# Allegro board neko-m5.brd (continued)
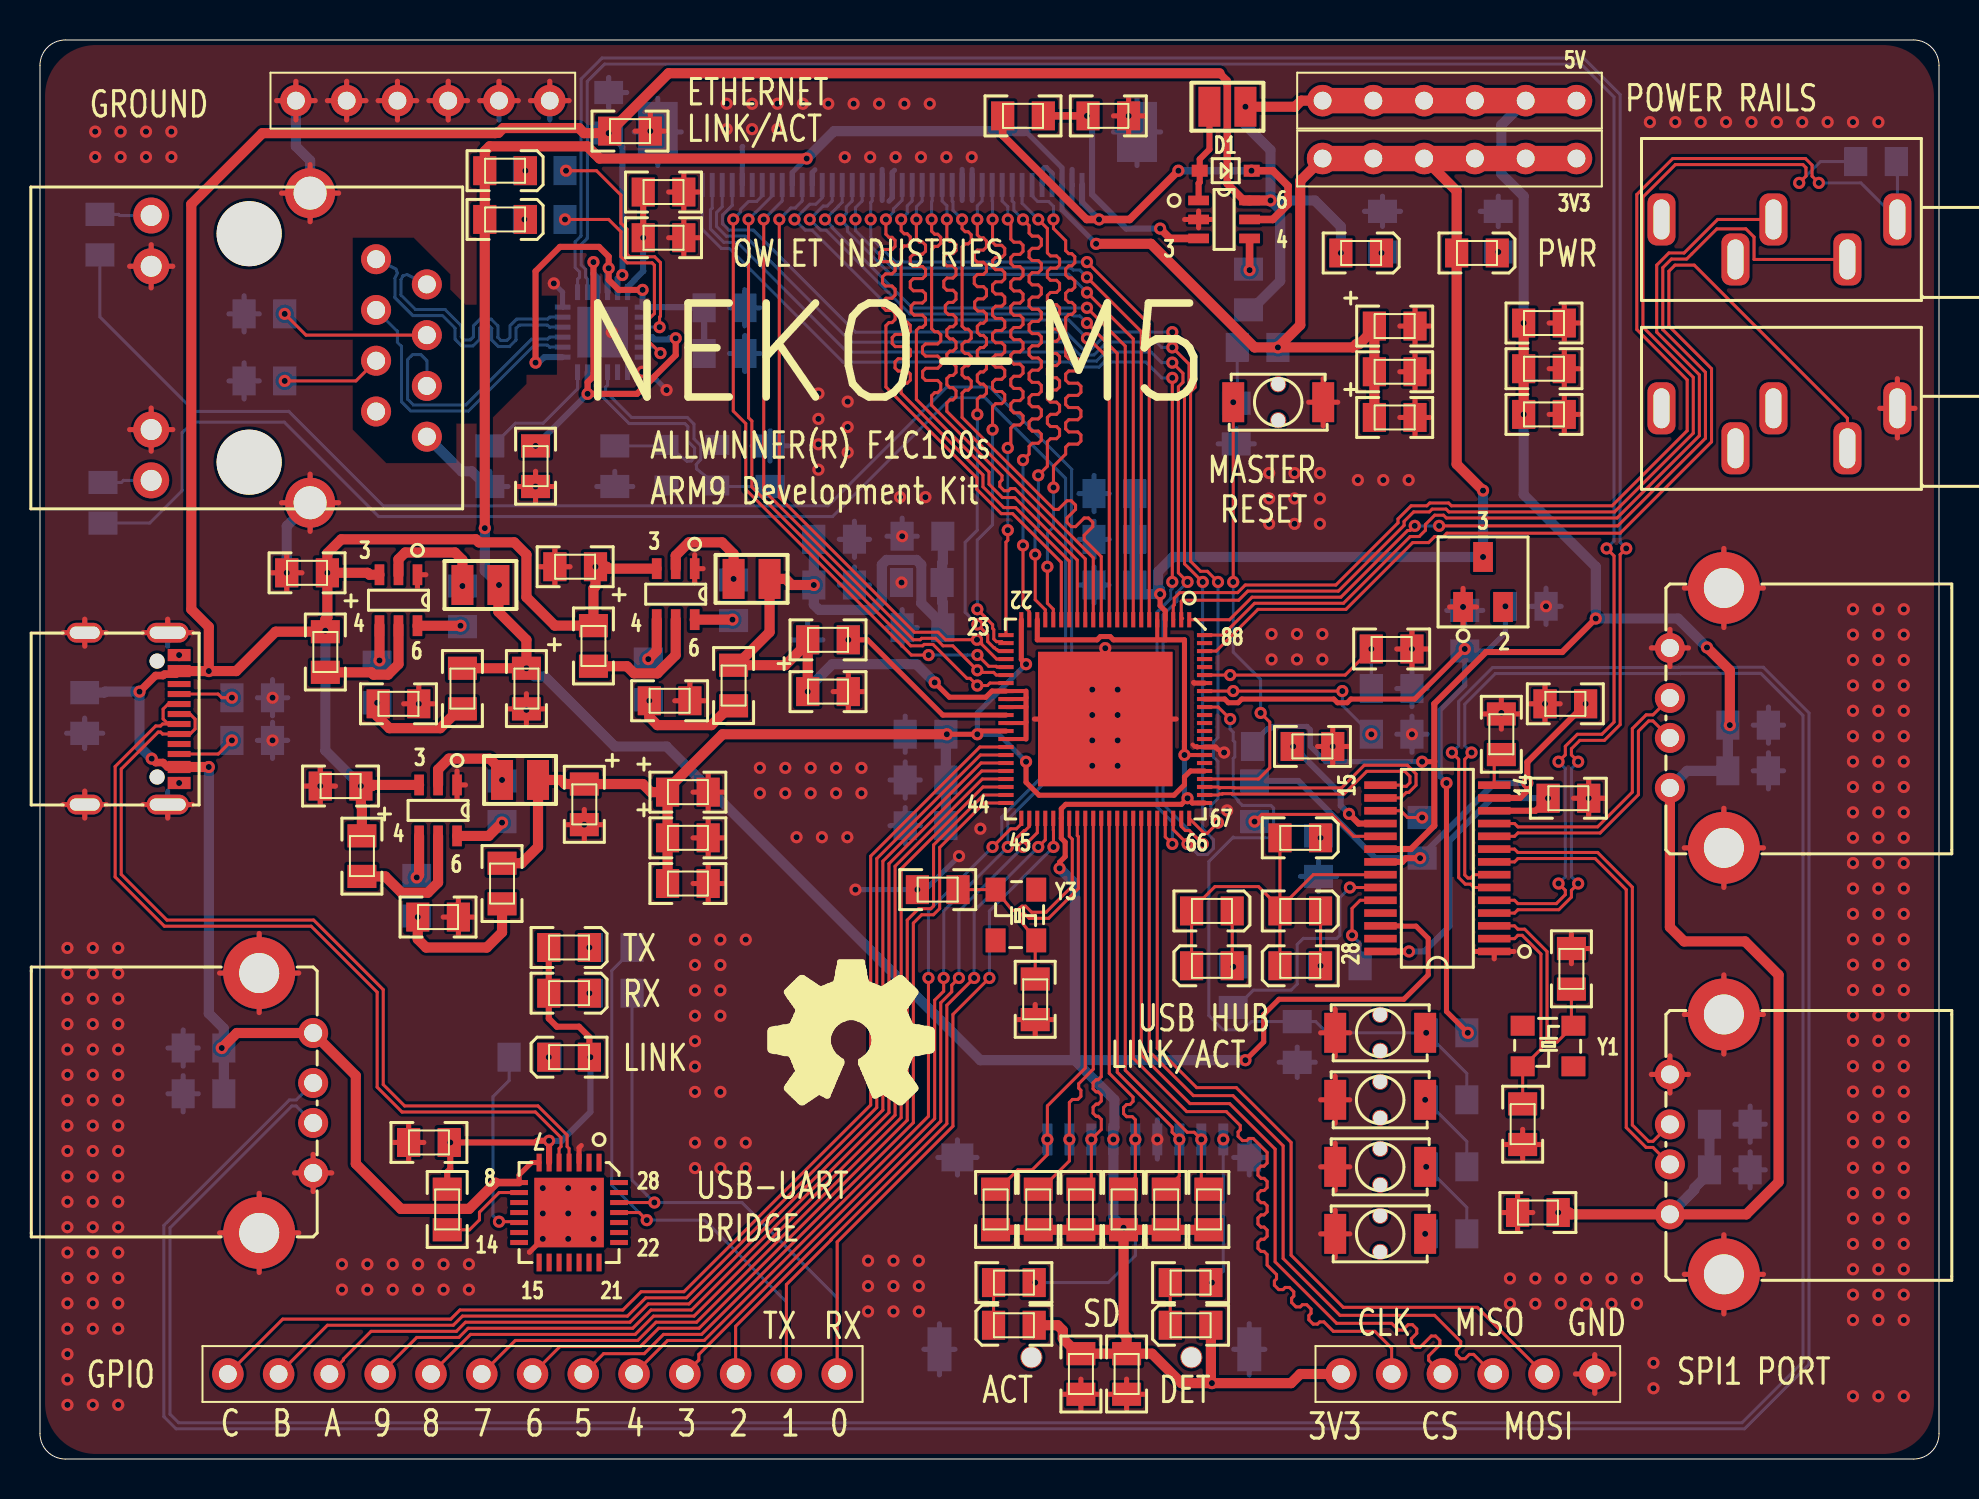
[diagram p0: board, top side]
## Routing (per net, layer and track width the routed paths; a pad name or vN(x,y) marks a point on that pad's centre or on a via; arc(x,y) is an arc through that point) (continued)
LCD_D3: length 33.2
  TOP w0.152: U2.7 55.09,56.4 v1(52.37,59.12)
  BOTTOM w0.152: J1.24 41.13,62.94 40.79,62.6 v1(40.79,62.01) 40.79,61.45 42.67,59.58 51.59,59.58 51.68,59.48 52.02,59.48 v1(52.37,59.12)
LCD_D4: length 33.3
  TOP w0.152: v1(52.37,58.36) 54.69,56.04 U2.8
  BOTTOM w0.152: v1(52.37,58.36) 51.46,59.27 42.54,59.27 40.39,61.42 40.39,61.65 v1(40.03,62.01) 40.34,62.32 40.34,62.64 40.63,62.94 J1.25
LCD_D5: length 33.5
  TOP w0.152: v1(52.37,57.59) 54.29,55.68 U2.9
  BOTTOM w0.152: J1.26 40.13,62.87 39.93,62.68 39.93,62.67 39.64,62.37 39.63,62.37 v1(39.27,62.01) 39.63,61.65 39.63,61.6 43.64,57.59 v1(52.37,57.59)
LCD_D6: length 33.8
  TOP w0.152: U2.10 53.89,55.32 v1(52.37,56.83)
  BOTTOM w0.152: J1.27 39.63,62.94 39.37,62.68 39.18,62.68 v1(38.51,62.01) 38.56,61.96 38.57,61.96 39.05,61.48 39.32,61.48 43.51,57.29 51.59,57.29 51.68,57.19 52.02,57.19 v1(52.37,56.83)
LCD_D7: length 34.2
  TOP w0.152: v1(52.37,56.07) 52.44,56.07 53.49,55.02 U2.11
  BOTTOM w0.152: J1.28 39.13,63.09 38.81,62.78 38.51,62.78 v1(37.74,62.01) 38.28,61.48 38.62,61.48 43.11,56.98 51.46,56.98 v1(52.37,56.07)
LCD_D10: length 30
  TOP w0.152: v1(46.13,62.01) 46.13,61.55 46.28,61.4 46.43,61.4 46.58,61.25 46.58,60.94 46.43,60.79 46.28,60.79 46.13,60.64 46.13,56.68 46.28,56.52 46.43,56.52 46.58,56.37 46.58,56.07 46.43,55.91 46.28,55.91 46.13,55.76 46.13,55.46 46.28,55.31 46.43,55.31 46.58,55.15 46.58,54.85 46.43,54.7 46.28,54.7 46.13,54.54 46.13,54.24 46.28,54.09 46.43,54.09 46.58,53.93 46.58,53.63 46.43,53.48 46.28,53.48 46.13,53.32 46.13,52.11 50.73,47.51 50.94,47.51 51.37,47.94 51.59,47.94 51.8,47.72 51.8,47.51 51.37,47.08 51.37,46.86 51.59,46.65 51.8,46.65 52.23,47.08 52.45,47.08 52.67,46.86 52.67,46.65 52.23,46.22 52.23,46 53.09,45.15 U2.12
  BOTTOM w0.152: J1.15 45.63,62.94 45.67,62.9 45.67,62.47 v1(46.13,62.01)
LCD_D11: length 29.5
  TOP w0.152: U2.13 52.69,45.09 45.36,52.41 45.36,52.84 45.52,52.99 45.67,52.99 45.82,53.14 45.82,53.44 45.67,53.6 45.52,53.6 45.36,53.75 45.36,54.05 45.52,54.21 45.67,54.21 45.82,54.36 45.82,54.66 45.67,54.82 45.52,54.82 45.36,54.97 45.36,55.27 45.52,55.43 45.67,55.43 45.82,55.58 45.82,55.88 45.67,56.04 45.52,56.04 45.36,56.19 45.36,56.49 45.52,56.65 45.67,56.65 45.82,56.8 45.82,57.1 45.67,57.25 45.44,57.25 45.29,57.41 45.29,57.71 45.44,57.86 45.67,57.86 45.82,58.02 45.82,58.32 45.67,58.47 45.36,58.47 45.21,58.63 45.21,58.93 45.36,59.08 45.67,59.08 45.82,59.24 45.82,59.54 45.67,59.69 45.36,59.69 45.21,59.85 45.21,60.15 45.36,60.3 45.67,60.3 45.82,60.46 45.82,60.76 45.67,60.91 45.52,60.91 45.36,61.06 v1(45.36,62.01)
  BOTTOM w0.152: v1(45.36,62.01) 45.36,62.7 45.13,62.94 J1.16
LCD_D12: length 29.5
  TOP w0.152: U2.14 52.29,45.03 48.77,48.55 48.55,48.55 48.45,48.44 48.23,48.44 48.01,48.66 48.01,48.87 48.12,48.98 48.12,49.2 44.6,52.72 44.6,53.2 44.75,53.35 44.91,53.35 45.06,53.5 45.06,53.81 44.91,53.96 44.31,53.96 44.15,54.11 44.15,54.42 44.31,54.57 44.91,54.57 45.06,54.72 45.06,55.03 44.91,55.18 44.3,55.18 44.15,55.33 44.15,55.64 44.3,55.79 44.91,55.79 45.06,55.94 45.06,56.24 44.91,56.4 44.75,56.4 44.6,56.55 44.6,60.51 44.75,60.67 44.91,60.67 45.06,60.82 45.06,61.12 44.91,61.28 44.75,61.28 44.6,61.43 v1(44.6,62.01)
  BOTTOM w0.152: J1.17 44.63,62.94 44.6,62.91 v1(44.6,62.01)
LCD_D13: length 29.5
  TOP w0.152: v1(43.84,62.01) 43.84,61.04 43.99,60.88 44.15,60.88 44.3,60.73 44.3,60.43 44.15,60.27 43.69,60.27 43.54,60.12 43.54,59.82 43.69,59.66 44.15,59.66 44.3,59.51 44.3,59.21 44.15,59.06 43.69,59.06 43.54,58.9 43.54,58.6 43.69,58.45 44.15,58.45 44.3,58.29 44.3,57.99 44.15,57.84 43.73,57.84 43.58,57.68 43.58,57.38 43.73,57.23 44.15,57.23 44.3,57.07 44.3,56.77 44.15,56.62 43.99,56.62 43.84,56.46 43.84,53.01 47.48,49.38 47.48,48.77 48.14,48.1 48.76,48.1 51.89,44.97 U2.15
  BOTTOM w0.152: J1.18 44.13,62.94 43.84,62.65 v1(43.84,62.01)
LCD_D14: length 29.5
  TOP w0.152: U2.16 51.49,44.92 48.81,47.6 48.21,47.6 47.17,48.64 47.17,49.24 43.08,53.33 43.08,53.67 43.23,53.82 43.38,53.82 43.54,53.98 43.54,54.28 43.38,54.43 42.93,54.43 42.77,54.59 42.77,54.89 42.93,55.04 43.38,55.04 43.54,55.2 43.54,55.5 43.38,55.65 42.78,55.65 42.63,55.81 42.63,56.11 42.78,56.26 43.38,56.26 43.54,56.41 43.54,56.72 43.38,56.87 43.23,56.87 43.08,57.02 43.08,60.54 43.23,60.69 43.38,60.69 43.54,60.84 43.54,61.14 43.38,61.3 43.23,61.3 43.08,61.45 v1(43.08,62.01)
  BOTTOM w0.152: v1(43.08,62.01) 43.38,62.32 43.38,62.69 43.63,62.94 J1.19
LCD_D15: length 29.5
  TOP w0.152: v1(42.32,62.01) 42.32,61.27 42.47,61.12 42.62,61.12 42.77,60.97 42.77,60.66 42.62,60.51 42.16,60.51 42.01,60.36 42.01,60.05 42.16,59.9 42.62,59.9 42.77,59.75 42.77,59.44 42.62,59.29 42.3,59.29 42.14,59.14 42.14,58.84 42.3,58.68 42.62,58.68 42.77,58.53 42.77,58.23 42.62,58.07 42.32,58.07 42.16,57.92 42.16,57.62 42.32,57.46 42.62,57.46 42.77,57.31 42.77,57.01 42.62,56.85 42.47,56.85 42.32,56.7 42.32,53.63 46.87,49.08 46.87,48.51 48.09,47.29 48.65,47.29 51.09,44.86 U2.17
  BOTTOM w0.152: v1(42.32,62.01) 42.69,62.39 42.69,62.54 43.13,62.98 J1.20
LCD_D18: length 29.6
  TOP w0.152: U2.18 50.69,42.52 50.39,42.81 v1(50.39,44.64) ; v1(50.7,62.01) 50.7,61.56 51.31,60.95 51.31,60.46 51.46,60.3 51.61,60.3 51.77,60.15 51.77,59.85 51.61,59.69 51.46,59.69 51.31,59.54 51.31,59.24 51.46,59.08 51.61,59.08 51.77,58.93 51.77,58.63 51.61,58.47 51.46,58.47 51.31,58.32 51.31,58.02 51.46,57.86 51.61,57.86 51.77,57.71 51.77,57.41 51.61,57.26 51.46,57.26 51.31,57.1 51.31,55.19 51.46,55.04 51.92,55.04 52.07,54.89 52.07,54.58 51.92,54.43 51.46,54.43 51.31,54.28 51.31,53.97 51.46,53.82 51.92,53.82 52.07,53.67 52.07,53.37 51.92,53.21 51.46,53.21 51.31,53.06 51.31,52.76 51.46,52.6 51.92,52.6 52.07,52.45 52.07,52.15 51.92,51.99 51.46,51.99 51.31,51.84 51.31,51.54 51.46,51.38 51.92,51.38 52.07,51.23 52.07,50.93 51.92,50.77 51.46,50.77 51.31,50.62 51.31,50.27 50.7,49.67 v1(50.7,48.6)
  BOTTOM w0.152: J1.7 49.63,63.19 49.91,62.91 50.46,62.91 50.7,62.67 v1(50.7,62.01) ; v1(50.39,44.64) 50.39,46.32 50.7,46.62 v1(50.7,48.6)
LCD_D19: length 29.6
  TOP w0.152: U2.19 50.29,42.48 49.78,42.99 v1(49.78,45.25) ; v1(49.94,49.21) 50.39,49.67 50.39,50.89 50.55,51.05 50.85,51.05 51,51.2 51,51.5 50.85,51.65 50.55,51.65 50.39,51.81 50.39,52.11 50.55,52.26 50.85,52.26 51,52.42 51,52.72 50.85,52.87 50.55,52.87 50.39,53.03 50.39,53.33 50.55,53.48 50.85,53.48 51,53.64 51,53.94 50.85,54.09 50.55,54.09 50.39,54.25 50.39,54.55 50.55,54.7 50.85,54.7 51,54.86 51,55.16 50.85,55.31 50.55,55.31 50.39,55.46 50.39,55.77 50.55,55.92 50.85,55.92 51,56.07 51,56.38 50.85,56.53 50.55,56.53 50.39,56.68 50.39,56.99 50.55,57.14 50.85,57.14 51,57.29 51,57.6 50.85,57.75 50.55,57.75 50.39,57.9 50.39,58.21 50.55,58.36 50.85,58.36 51,58.51 51,58.82 50.85,58.97 50.55,58.97 50.39,59.12 50.39,59.43 50.55,59.58 50.85,59.58 51,59.73 51,60.04 50.85,60.19 50.55,60.19 50.39,60.34 50.39,61.56 v1(49.94,62.01)
  BOTTOM w0.152: v1(49.94,62.01) 49.13,62.82 J1.8 ; v1(49.94,49.21) 49.94,46.62 49.78,46.47 v1(49.78,45.25)
LCD_D20: length 30.1
  TOP w0.152: v1(49.17,45.71) 49.17,42.71 49.49,42.39 U2.21 ; v1(49.17,62.01) 49.48,61.71 49.48,61.33 49.63,61.18 49.94,61.18 50.09,61.03 50.09,60.72 49.94,60.57 49.63,60.57 49.48,60.42 49.48,60.11 49.63,59.96 49.94,59.96 50.09,59.81 50.09,59.5 49.94,59.35 49.63,59.35 49.48,59.2 49.48,58.89 49.63,58.74 49.94,58.74 50.09,58.59 50.09,58.28 49.94,58.13 49.63,58.13 49.48,57.98 49.48,57.67 49.63,57.52 49.94,57.52 50.09,57.37 50.09,57.06 49.94,56.91 49.63,56.91 49.48,56.76 49.48,56.45 49.63,56.3 49.94,56.3 50.09,56.15 50.09,55.85 49.94,55.69 49.63,55.69 49.48,55.54 49.48,55.24 49.63,55.08 49.94,55.08 50.09,54.93 50.09,54.63 49.94,54.47 49.63,54.47 49.48,54.32 49.48,54.02 49.63,53.86 49.94,53.86 50.09,53.71 50.09,53.41 49.94,53.25 49.63,53.25 49.48,53.1 49.48,52.8 49.63,52.64 49.94,52.64 50.09,52.49 50.09,52.19 49.94,52.04 49.63,52.04 49.48,51.88 49.48,51.58 49.63,51.43 49.94,51.43 50.09,51.27 50.09,50.97 49.94,50.82 49.63,50.82 49.48,50.66 49.48,50.28 v1(49.17,49.97)
  BOTTOM w0.152: v1(49.17,49.97) v1(49.17,45.71) ; v1(49.17,62.01) 48.72,62.47 48.72,62.85 48.63,62.94 J1.9
LCD_D21: length 29.7
  TOP w0.152: v1(48.41,62.01) 48.56,61.86 48.56,61.03 48.72,60.87 49.02,60.87 49.17,60.72 49.17,60.42 49.02,60.27 48.72,60.27 48.56,60.11 48.56,59.81 48.72,59.66 49.02,59.66 49.17,59.5 49.17,59.2 49.02,59.05 48.72,59.05 48.56,58.89 48.56,58.59 48.72,58.44 49.02,58.44 49.17,58.28 49.17,57.98 49.02,57.83 48.72,57.83 48.56,57.67 48.56,57.37 48.72,57.22 49.02,57.22 49.17,57.06 49.17,56.76 49.02,56.61 48.72,56.61 48.56,56.46 48.56,56.15 48.72,56 49.02,56 49.17,55.85 49.17,55.54 49.02,55.39 48.72,55.39 48.56,55.24 48.56,54.93 48.72,54.78 49.02,54.78 49.17,54.63 49.17,54.32 49.02,54.17 48.72,54.17 48.56,54.02 48.56,53.71 48.72,53.56 49.02,53.56 49.17,53.41 49.17,53.1 49.02,52.95 48.72,52.95 48.56,52.8 48.56,52.49 48.72,52.34 49.02,52.34 49.17,52.19 49.17,51.88 49.02,51.73 48.72,51.73 48.56,51.58 48.56,50.74 v1(48.41,50.58) ; U2.23 48.32,45.87 48.41,45.96 v1(48.41,46.47)
  BOTTOM w0.152: v1(48.41,62.01) 48.41,62.65 48.13,62.94 J1.10 ; v1(48.41,46.47) v1(48.41,50.58)
LCD_D22: length 30.1
  TOP w0.152: v1(47.65,62.01) 47.65,60.87 47.8,60.72 48.11,60.72 48.26,60.57 48.26,60.26 48.11,60.11 47.8,60.11 47.65,59.96 47.65,59.66 47.8,59.5 48.11,59.5 48.26,59.35 48.26,59.05 48.11,58.89 47.8,58.89 47.65,58.74 47.65,58.44 47.8,58.28 48.11,58.28 48.26,58.13 48.26,57.83 48.11,57.67 47.8,57.67 47.65,57.52 47.65,57.22 47.8,57.06 48.11,57.06 48.26,56.91 48.26,56.61 48.11,56.45 47.8,56.45 47.65,56.3 47.65,56 47.8,55.85 48.11,55.85 48.26,55.69 48.26,55.39 48.11,55.24 47.8,55.24 47.65,55.08 47.65,54.78 47.8,54.63 48.11,54.63 48.26,54.47 48.26,54.17 48.11,54.02 47.8,54.02 47.65,53.86 47.65,53.56 47.8,53.41 48.11,53.41 48.26,53.25 48.26,52.95 48.11,52.8 47.8,52.8 47.65,52.64 v1(47.65,51.5) ; U2.24 48.18,40.82 48.11,40.89 47.85,40.89 47.71,41.02 47.71,41.5 47.65,41.55 47.65,41.74 47.43,41.97 47.43,41.97 47.25,42.15 47.25,42.15 v1(46.89,42.51)
  BOTTOM w0.152: v1(47.65,51.5) 47.65,46.74 46.89,45.98 v1(46.89,42.51) ; v1(47.65,62.01) 47.65,62.92 47.63,62.94 J1.11
LCD_D23: length 29.5
  TOP w0.152: U2.25 47.95,40.42 47.88,40.49 47.85,40.49 47.75,40.59 47.72,40.59 47.41,40.9 47.41,41.23 47.25,41.39 47.25,41.39 v1(46.89,41.75) ; v1(46.89,52.26) 46.89,53.01 47.04,53.17 47.19,53.17 47.35,53.32 47.35,53.62 47.19,53.78 47.04,53.78 46.89,53.93 46.89,54.23 47.04,54.38 47.19,54.38 47.35,54.54 47.35,54.84 47.19,54.99 47.04,54.99 46.89,55.15 46.89,55.45 47.04,55.6 47.19,55.6 47.35,55.76 47.35,56.06 47.19,56.21 47.04,56.21 46.89,56.37 46.89,56.67 47.04,56.82 47.19,56.82 47.35,56.98 47.35,57.28 47.19,57.43 46.91,57.43 46.76,57.59 46.76,57.89 46.91,58.04 47.19,58.04 47.35,58.19 47.35,58.5 47.19,58.65 46.89,58.65 46.74,58.8 46.74,59.11 46.89,59.26 47.19,59.26 47.35,59.41 47.35,59.72 47.19,59.87 46.89,59.87 46.74,60.02 46.74,60.33 46.89,60.48 47.19,60.48 47.35,60.63 47.35,60.94 47.19,61.09 47.04,61.09 46.89,61.24 v1(46.89,62.01)
  BOTTOM w0.152: v1(46.89,52.26) 46.89,46.47 46.28,45.86 46.28,42.36 v1(46.89,41.75) ; v1(46.89,62.01) 46.89,62.7 47.13,62.94 J1.12
LCD_DE: length 33
  TOP w0.152: v1(46.89,40.23) 47.46,39.66 47.83,39.66 47.87,39.62 U2.27 ; v1(34.68,62.01) 34.68,52.43 35.31,51.8 35.31,48.5 43.59,40.22 v1(44.45,40.22)
  BOTTOM w0.152: v1(44.45,40.22) 46.38,40.22 46.39,40.23 v1(46.89,40.23) ; v1(34.68,62.01) 35.04,62.37 35.04,62.51 35.44,62.91 35.85,62.91 36.13,63.19 J1.34
LCD_HSYNC: length 31.7
  TOP w0.152: v1(36.2,62.01) 36.2,48.47 43.68,40.99 44.03,40.99 44.1,41.06 44.8,41.06 45.17,40.68 45.66,40.68 v1(46.89,39.46) 46.99,39.35 47.7,39.35 47.84,39.22 U2.28
  BOTTOM w0.152: v1(36.2,62.01) 37.13,62.94 J1.32
LCD_LEDA: length 23.6
  TOP w0.305: v1(60.6,64.45) D1.2
  TOP w0.381: D1.2 61.67,64.45 62.43,63.69 62.43,62.78 61.67,62.01 U1.5 ; v1(56.95,64.45) 54.51,62.01 v1(52.98,62.01) 52.36,62.01 48.16,66.22 C74.1
  BOTTOM w0.305: v1(52.98,62.01) 52.13,62.86 J1.2
  BOTTOM w0.381: v1(56.95,64.45) v1(60.6,64.45)
LCD_LEDK: length 12.5
  TOP w0.381: U1.3 56.53,61.06 v1(56.03,61.56) ; C74.2 v1(52.37,67.2)
  BOTTOM w0.305: v1(56.03,61.56) 54.34,61.56 52.63,63.27 J1.1 52.63,66.94 v1(52.37,67.2)
LCD_VSYNC: length 32.6
  TOP w0.152: v1(35.44,62.01) 35.44,52.1 35.61,51.93 35.61,48.63 43.56,40.68 44.16,40.68 44.23,40.75 44.67,40.75 46.37,39.06 46.53,39.06 v1(46.89,38.7) 47.4,38.7 47.52,38.82 U2.29
  BOTTOM w0.152: v1(35.44,62.01) 35.8,62.37 35.81,62.37 36.63,63.19 J1.33
LINL: length 52.8
  TOP w0.152: J6.3 90.41,52.07 82.75,59.73 81.79,59.73 81.48,59.42 81.48,56.68 83.62,54.55 83.62,50.89 79.04,46.32 70.38,46.32 70.21,46.15 69.77,46.15 69.46,45.85 68.67,45.85 65.33,42.51 60.93,42.51 58.84,40.42 U2.86
LRADC: length 36.4
  TOP w0.152: U2.79 58.94,37.62 v1(59.54,37.02)
  BOTTOM w0.152: R30.1 71.37,19.29 v1(69.34,21.32) 64.38,21.32 63.82,21.88 C58.1 60.61,21.88 60.2,21.48 59.18,21.48 58.47,22.18 58.47,29.89 59.69,31.11 59.72,31.08 61.58,31.08 61.71,31.22 61.71,32.56 61.58,32.7 60.15,32.7 59.94,32.91 59.94,32.96 59.69,33.2 59.69,35.05 59.77,35.12 59.77,35.87 59.69,35.95 59.69,36.36 59.54,36.51 v1(59.54,37.02)
MCU_UART_RX: length 59.9
  TOP w0.152: v1(30.73,12.83) U10.26 ; U2.49 50.69,31.47 50.7,31.46 v1(50.7,30.62) ; J2.1 39.88,10.86 45.67,16.65 45.67,22.24 v1(47.49,24.07)
  BOTTOM w0.152: R47.2 29.62,13.95 30.37,13.19 30.37,13.19 v1(30.73,12.83) 35.11,12.83 39.88,8.06 J2.1 ; v1(47.49,24.07) 47.49,27.41 v1(50.7,30.62)
MCU_UART_TX: length 61.8
  TOP w0.152: v1(46.73,24.07) 45.36,22.7 45.36,16.78 39.57,10.99 39.57,10.96 37.34,8.72 J2.2 ; U10.25 29.97,12.33 v1(30.35,11.95) ; U2.48 50.29,30.97 v1(49.94,30.62)
  BOTTOM w0.152: J2.2 37.34,7.86 33.25,11.95 v1(30.35,11.95) 28.6,13.7 28.6,24.43 29.62,25.45 R50.2 ; v1(46.73,24.07) 46.73,27.41 v1(49.94,30.62)
MCU_USB_DN: length 12.8
  TOP w0.152: U4.15 68.07,33.71 68.13,33.65 68.35,33.65 68.53,33.84 68.53,34.15 68.28,34.4 66.37,34.4 65.23,33.27 59.62,33.27 59.61,33.29 59.16,33.29 59.15,33.27 58.99,33.27 58.95,33.22 U2.68
MCU_USB_DP: length 13.9
  TOP w0.152: U4.16 68.07,33.07 68.35,33.35 68.47,33.35 68.83,33.71 68.83,34.28 68.4,34.71 66.24,34.71 65.11,33.57 59.75,33.57 59.73,33.59 59.04,33.59 59.02,33.57 58.99,33.57 58.95,33.62 U2.69
PIO_E2: length 34
  TOP w0.152: v1(45.97,24.07) 45.61,23.71 45.61,23.38 45.06,22.83 45.06,16.9 34.8,6.64 J2.3 ; U2.47 49.89,31.33 v1(49.17,30.62)
  BOTTOM w0.152: v1(45.97,24.07) 45.97,27.41 v1(49.17,30.62)
PIO_E3: length 115
  TOP w0.152: v1(48.41,30.62) 49.24,31.44 49.29,31.44 49.49,31.65 U2.46 ; v1(45.21,24.07) 45.21,23.41 44.75,22.95 44.75,17.03 32.96,5.23 32.96,4.96 J2.4
  BOTTOM w0.152: R27.1 3,57.14 7.72,52.41 12.45,52.41 17.17,47.69 39.42,47.69 45.36,53.63 47.5,53.63 51.61,49.52 51.61,35.19 48.41,31.99 v1(48.41,30.62) 45.21,27.41 v1(45.21,24.07)
PIO_E4: length 115.1
  TOP w0.152: J2.5 31.39,5.93 33.22,5.93 44.44,17.15 v1(44.44,24.07) ; U2.45 49.09,31.77 48.84,31.53 48.56,31.53 v1(47.65,30.62)
  BOTTOM w0.152: R28.1 5.49,46.82 7.11,48.45 7.11,51.35 7.64,51.87 12.22,51.87 16.95,47.15 39.64,47.15 45.59,53.09 47.27,53.09 51.31,49.06 51.31,35.32 48.11,32.12 48.11,31.08 v1(47.65,30.62) 44.44,27.41 v1(44.44,24.07)
PIO_E5: length 40.6
  TOP w0.152: J2.6 28.19,5.27 30.23,5.27 31.19,6.24 33.1,6.24 43.69,16.83 43.69,26.81 44.11,27.23 44.69,27.23 45,27.54 45,30.59 47.23,32.82 U2.44
PIO_E6: length 43.3
  TOP w0.152: U2.43 47.2,33.22 44.7,30.72 44.7,27.67 44.57,27.53 43.95,27.53 43.38,26.96 43.38,16.95 32.97,6.54 30.94,6.54 30.03,5.63 26.01,5.63 J2.7
PIO_E7: length 45.7
  TOP w0.152: U2.42 47.17,33.62 43.08,29.53 43.08,17.08 32.84,6.85 30.82,6.85 29.9,5.93 23.77,5.93 J2.8
PIO_E8: length 48.4
  TOP w0.152: J2.9 21.54,6.24 29.78,6.24 30.69,7.15 32.72,7.15 42.77,17.21 42.77,29.66 47.14,34.02 U2.41
PIO_E9: length 51.1
  TOP w0.152: U2.40 47.11,34.42 42.47,29.78 42.47,17.33 32.59,7.45 30.56,7.45 29.65,6.54 21.41,6.54 20.96,6.08 18.85,6.08 J2.10
PIO_E10: length 53.8
  TOP w0.152: J2.11 15.18,4.96 15.18,5.01 16.56,6.39 20.83,6.39 21.29,6.85 29.51,6.85 30.43,7.76 32.47,7.76 42.16,17.46 42.16,29.91 47.08,34.82 U2.39
PIO_E11: length 56.5
  TOP w0.152: J2.12 14.38,6.69 20.68,6.69 21.13,7.15 29.39,7.15 30.3,8.06 32.34,8.06 41.86,17.58 41.86,30.04 47.04,35.22 U2.38
PIO_E12: length 59.2
  TOP w0.152: J2.13 12.14,7 20.55,7 21.01,7.45 29.15,7.45 30.07,8.37 32.21,8.37 41.55,17.71 41.55,30.16 47.01,35.62 U2.37
RESET: length 25.4
  TOP w0.152: U2.70 60.96,34.02 61.52,34.58 61.52,36.87 v1(61.06,37.33) ; v1(59.69,52.87) v1(59.69,43.88)
  BOTTOM w0.152: v1(59.69,52.87) 59.69,53.38 59.89,53.58 R23.1 ; v1(59.69,43.88) 59.69,40.37 61.06,39 v1(61.06,37.33)
RJ45_RDN: length 13.7
  BOTTOM w0.152: U8.3 25.49,56.13 25.39,56.03 24.6,56.03 21.3,52.73 18.68,52.73 18.39,53.02 18.39,55.01 18.63,55.25 19.06,55.25 19.35,54.95 J4.6
RJ45_RDP: length 14.8
  BOTTOM w0.152: J4.3 17.88,56.42 17.88,55.87 18.08,55.66 18.08,52.9 18.55,52.43 21.43,52.43 24.72,55.72 25.39,55.72 25.49,55.63 U8.2
RJ45_TDN: length 14
  BOTTOM w0.152: U8.5 25.49,57.13 25.39,57.03 23.84,57.03 23.51,56.7 23.51,56.11 23.36,55.96 23.06,55.96 22.9,56.11 22.9,56.7 22.57,57.03 22.01,57.03 21.68,56.7 21.68,56.14 21.53,55.99 21.23,55.99 21.07,56.14 21.07,56.7 20.26,57.51 18.78,57.51 18.06,58.23 18.06,59 18.15,59.19 18.36,59.26 J4.2
RJ45_TDP: length 14.7
  BOTTOM w0.152: J4.1 17.81,59.53 17.88,59.33 17.78,59.13 17.75,59.07 17.75,58.11 18.65,57.2 20.13,57.2 20.77,56.57 20.77,56.02 21.1,55.68 21.66,55.68 21.99,56.02 21.99,56.57 22.14,56.72 22.45,56.72 22.6,56.57 22.6,55.99 22.93,55.66 23.49,55.66 23.82,55.99 23.82,56.57 23.97,56.72 25.39,56.72 25.49,56.63 U8.4
SDC_CLK: length 31.4
  TOP w0.152: R40.1 54.79,14.09 v1(54.79,15.99) 54.79,16.97 54.64,17.13 54.36,17.13 54.2,17.28 54.2,17.58 54.36,17.74 54.53,17.74 54.68,17.89 54.68,18.1 53.49,19.29 U2.56
  BOTTOM w0.152: v1(54.79,15.99) 54.79,10.18 53.44,8.83 v1(49.78,8.83)
SDC_CMD: length 19.9
  TOP w0.152: R41.1 52.59,14.02 v1(52.59,15.99) 53.09,16.49 53.09,17 52.94,17.15 52.83,17.15 52.68,17.3 52.68,17.61 52.83,17.76 52.94,17.76 53.09,17.91 53.09,18.22 52.94,18.37 52.83,18.37 52.68,18.52 52.68,18.82 52.83,18.98 52.94,18.98 53.09,19.13 U2.55
SDC_D0: length 20.1
  TOP w0.152: R39.1 56.99,14.16 v1(56.99,15.99) 56.63,16.35 56.63,16.61 53.89,19.35 U2.57
SDC_D1: length 20.5
  TOP w0.152: R38.1 58.09,13.88 v1(58.09,15.99) 57.73,16.35 57.39,16.35 54.29,19.45 U2.58
SDC_D2: length 20.9
  TOP w0.152: U2.53 52.29,19.56 50.39,17.67 v1(50.39,15.99) 50.39,15.23 49.63,14.47 48.91,14.47 47.95,13.5 R43.1
SDC_D3: length 20
  TOP w0.152: R42.1 50.08,13.5 51.49,14.91 v1(51.49,15.99) 51.49,17.84 51.65,17.99 51.92,17.99 52.07,18.14 52.07,18.45 51.96,18.56 51.96,18.77 52.69,19.5 U2.54
SDC_DET: length 7.4
  BOTTOM w0.152: v1(59.19,15.99) 59.19,9.4 v1(58.62,8.83)
SPI_CLK: length 40
  TOP w0.152: U2.59 54.69,20.05 57.36,17.38 59.35,17.38 60.04,16.68 60.04,16.47 59.93,16.36 59.93,16.15 60.15,15.93 60.37,15.93 60.47,16.04 60.69,16.04 61.39,15.34 61.39,14.8 61.23,14.65 61.08,14.65 60.93,14.5 60.93,14.19 61.08,14.04 61.23,14.04 61.39,13.89 61.39,13.59 61.23,13.43 61.08,13.43 60.93,13.28 60.93,12.98 61.08,12.82 61.23,12.82 61.39,12.67 61.39,12.37 61.23,12.21 61.08,12.21 60.93,12.06 60.93,11.76 61.08,11.6 61.23,11.6 61.39,11.45 61.39,11.15 61.23,10.99 61.08,10.99 60.93,10.84 60.93,10.54 61.08,10.38 61.23,10.38 61.39,10.23 61.39,9.7 61.86,9.23 61.86,9.01 61.75,8.91 61.75,8.69 61.97,8.48 62.18,8.48 62.29,8.58 62.5,8.58 62.72,8.37 62.72,8.15 62.61,8.04 62.61,7.83 62.83,7.61 63.04,7.61 63.15,7.72 63.37,7.72 63.58,7.5 63.58,7.29 63.47,7.18 63.47,6.97 63.69,6.75 63.91,6.75 64.01,6.86 64.23,6.86 64.7,6.39 66.77,6.39 67.61,5.55 J3.2
SPI_CS: length 39.7
  TOP w0.152: U2.60 55.09,20.22 57.53,17.78 59.51,17.78 61.79,15.51 61.79,9.87 64.86,6.79 67.62,6.79 67.96,6.45 68.17,6.45 68.44,6.72 68.65,6.72 68.87,6.51 68.87,6.29 68.6,6.02 68.6,5.81 68.82,5.59 69.03,5.59 69.6,6.15 69.81,6.15 70.03,5.94 70.03,5.72 69.47,5.16 69.47,4.94 J3.3
SPI_MISO: length 39.7
  TOP w0.152: U2.61 55.49,20.39 57.7,18.18 59.68,18.18 62.19,15.67 62.19,10.03 65.03,7.19 69.76,7.19 71.07,5.88 71.07,5.67 70.85,5.45 70.85,5.23 71.07,5.02 71.28,5.02 71.5,5.23 71.71,5.23 J3.4
SPI_MOSI: length 40.9
  TOP w0.152: U2.62 55.89,20.55 57.86,18.58 59.84,18.58 62.59,15.84 62.59,10.2 65.2,7.59 71.9,7.59 J3.5
TPX1: length 55.9
  TOP w0.152: U2.66 58.24,31.31 58.39,31.31 v1(58.93,31.84) ; v1(58.93,43.88) 58.39,44.41 58.06,44.41 57.56,44.91 57.56,53.39 57.78,53.62 57.78,55.23 v1(56.64,56.38)
  BOTTOM w0.152: J1.37 34.63,62.72 34.15,62.24 34.15,61.79 34.46,61.48 35.69,61.48 40.79,56.38 51.32,56.38 52.15,55.54 52.6,55.54 53.43,56.38 v1(56.64,56.38) ; v1(58.93,31.84) 58.57,32.2 58.57,32.69 58.93,33.05 58.93,34.89 58.7,35.12 58.7,35.87 58.93,36.1 v1(58.93,43.88)
TPX2: length 56.2
  TOP w0.152: v1(57.4,43.88) 56.95,44.34 56.95,53.64 57.18,53.87 57.18,54.32 v1(56.64,54.85) ; U2.65 57.09,31.65 57.29,31.44 57.49,31.44 v1(58.17,30.77)
  BOTTOM w0.152: v1(57.4,43.88) 56.87,43.35 56.87,42.92 56.18,42.24 56.18,32.75 v1(58.17,30.77) ; J1.39 33.63,62.58 33.54,62.49 33.54,61.54 34.21,60.87 34.88,60.87 40.38,55.38 51.45,55.38 51.9,54.93 52.85,54.93 53.3,55.38 55.58,55.38 56.11,54.85 v1(56.64,54.85)
TPY1: length 57.4
  TOP w0.152: v1(58.17,43.88) 58.16,43.88 57.25,44.79 57.25,53.51 57.48,53.74 57.48,54.78 v1(56.64,55.61) ; U2.64 56.69,31.49 v1(57.4,30.77)
  BOTTOM w0.152: v1(57.4,30.77) 57.94,30.24 58.39,30.24 58.7,30.55 58.7,30.99 58.17,31.53 v1(58.17,43.88) ; J1.38 34.13,62.65 33.84,62.36 33.84,61.67 34.33,61.18 35.28,61.18 40.59,55.88 51.38,55.88 52.03,55.23 52.72,55.23 53.37,55.88 55.85,55.88 56.11,55.61 v1(56.64,55.61)
TPY2: length 54.4
  TOP w0.152: v1(56.64,54.09) v1(56.64,43.88) ; v1(56.64,30.77) 56.29,31.12 U2.63
  BOTTOM w0.152: v1(56.64,54.09) 56.11,54.09 55.32,54.88 53.23,54.88 52.98,54.62 51.77,54.62 51.52,54.88 40.17,54.88 34.48,60.57 34.08,60.57 33.13,61.52 J1.40 ; v1(56.64,30.77) 56.64,31.86 55.88,32.63 55.88,42.36 56.57,43.05 56.57,43.47 56.64,43.55 v1(56.64,43.88)
USB_CC1: length 2.7
  TOP w0.152: J13.A5 8.91,38.27 9.09,38.09 v1(9.6,38.09)
USB_CC2: length 2.9
  TOP w0.152: J13.B5 8.92,35.27 v1(9.6,35.95)
USB_UART_DN: length 43.1
  TOP w0.152: U10.5 25.97,15.53 26.06,15.63 26.06,16.08 24.78,17.36 18.11,17.36 16.87,18.61 16.87,23.36 13.56,26.66 6.22,26.66 3.76,29.12 3.76,34.65 5.79,36.67 6.03,36.67 6.13,36.77 6.41,36.77 ; 6.41,36.77 J13.A7 ; 6.41,36.77 6.16,37.02 6.16,37.52 6.41,37.77 J13.B7
USB_UART_DP: length 43.2
  TOP w0.152: U10.4 26.47,15.53 26.37,15.63 26.37,16.21 24.91,17.67 18.24,17.67 17.17,18.73 17.17,23.48 13.69,26.96 6.35,26.96 4.06,29.25 4.06,34.52 5.91,36.37 6.03,36.37 6.13,36.27 J13.B6 7.51,36.27 7.76,36.52 7.76,37.02 7.51,37.27 J13.A6
USB_UART_SUSPEND: length 9.7
  TOP w0.152: v1(22.96,11.87) 23.92,11.87 U10.12
  BOTTOM w0.152: v1(22.96,11.87) 22.66,12.18 22.66,18.12 23.47,18.94 R35.2
USB_UART_VDD: length 20.9
  TOP w0.305: U10.6 v1(25.47,15.92) 24.88,15.92 24.8,15.84 v1(20.52,15.84) ; v1(20.52,15.84) 20.52,14.51 20.37,14.36 R52.2 ; v1(20.52,15.84) C71.1 ; D5.1 27.48,21.11 26.96,21.63 25.86,21.63 25.45,22.03 D10.1 D13.1
  BOTTOM w0.305: v1(25.47,15.92) 26.1,15.92 27.53,17.36 v1(27.53,20.1)
VRA1: length 9.7
  TOP w0.152: v1(65.15,38.42) v1(59.69,38.42) U2.81
  BOTTOM w0.152: v1(65.15,38.42) 65.15,37.71 v1(66.6,36.26)
VRA2: length 10.9
  TOP w0.152: v1(66.6,40.53) 65.29,39.22 v1(59.54,39.22) U2.83
  BOTTOM w0.152: C62.1 v1(66.6,40.53)
N03475: length 5.6
  TOP w0.254: L1.1 v1(21.13,43.68)
  TOP w0.508: L1.1 21.13,44.98 20.76,45.35 18.27,45.35 17.93,45.01 U3.2
N04090: length 1.7
  TOP w0.508: U3.4 v1(16.98,39.95)
N04092: length 5.6
  TOP w0.508: R6.1 20.99,37.53 20.02,36.56 17.48,36.56 16.87,37.17 v1(16.87,37.83)
N05432: length 5.3
  TOP w0.508: v1(34.7,44.03) 34.7,45.28 34.12,45.86 32.46,45.86 31.8,45.2 U5.2
N05572: length 2.2
  TOP w0.508: v1(30.43,40.02) 30.85,40.44 U5.4
N05576: length 5.6
  TOP w0.508: R14.1 34.55,37.68 33.59,36.72 30.89,36.72 30.48,37.12 v1(30.48,37.93)
N06603: length 4.9
  TOP w0.508: U7.2 19.91,34.5 20.45,35.04 22.5,35.04 23.11,34.42 v1(23.11,33.97)
N06743: length 2.1
  TOP w0.508: U7.4 18.96,29.21 v1(18.85,29.1)
N06747: length 7.2
  TOP w0.508: v1(18.9,27.11) 18.9,26.01 19.32,25.59 22.35,25.59 23.11,26.35 R18.1
N08835: length 5.8
  TOP w0.508: R5.1 16.57,39.36 16.69,39.24 17.41,39.24 17.93,39.76 U3.5
N08849: length 6.7
  TOP w0.508: R16.1 17.27,29.15 18.08,28.33 19.41,28.33 19.91,28.84 U7.5
N08957: length 6.4
  TOP w0.508: U5.5 31.8,40.22 30.89,39.31 29.72,39.31 29.36,39.66 R11.1
N11442: length 9.4
  TOP w0.254: v1(40.44,40.98) 41.4,40.98 45.16,37.22 U2.33
N15893:
  vias: v1(72.95,60.39)
N21469:
  vias: v1(67.11,60.34)
N026012: length 2.2
  TOP w0.508: U3.6 v1(21.04,41.69)
N28920: length 4.6
  TOP w0.152: U10.9 22.97,13.33 21.98,12.35 21.98,11.96 21.49,11.47 R52.1
N053742: length 1.9
  TOP w0.508: U5.6 v1(34.64,41.99)
N62098: length 4.9
  TOP w0.305: L2.2 58.5,65.52 58.01,65.03 D1.1 58.01,63.87 57.96,63.82 U1.1
N63435: length 1.6
  TOP w0.381: U1.4 v1(60.51,59.48)
N065452: length 2.5
  TOP w0.508: v1(23.11,31.84) 22.45,31.17 U7.6
N104876: length 2.8
  TOP w0.152: D9.2 59.64,25.18 59.69,25.13 v1(59.69,24.63)
N104918: length 2.7
  TOP w0.152: D14.2 v1(64.06,24.68)
N106425:
  vias: v1(64.06,31.08)
N112482: length 6.9
  TOP w0.152: v1(60.76,31.89) 61.12,32.25 64.61,32.25 65.71,31.15 U4.19
N112486: length 2.2
  TOP w0.152: v1(69.14,32.09) 68.41,32.09 68.07,32.43 U4.17
N113584: length 1.7
  TOP w0.152: R12.2 72.75,34.89 U4.14
N129609: length 6.4
  BOTTOM w0.152: R22.1 22.65,50.69 23.78,51.82 25.17,51.82 26.89,53.54 U8.24
N170217: length 7.6
  TOP w0.152: J4.4 13.31,56.23 v1(12.24,57.29)
N175271: length 2.6
  BOTTOM w0.152: J4.9 3.98,62.21 3.93,62.27 R27.2
N175275: length 2.5
  BOTTOM w0.152: J4.12 4.18,48.96 4.08,48.86 R28.2
N292580:
  vias: v1(25.45,20.1)
N299830:
  vias: v1(27.48,23.3)
N300870:
  vias: v1(27.48,25.59)
N301898:
  vias: v1(69.29,11.26)
N301905: length 4.2
  BOTTOM w0.152: R33.1 71.37,12.59 v1(69.34,14.62)
N301919: length 4.2
  BOTTOM w0.152: R32.1 71.37,15.89 v1(69.29,17.97)
N440299: length 5
  TOP w0.152: v1(12.24,53.94) 15.8,53.94 J4.5
N1040560: length 2.1
  TOP w0.152: D4.2 R34.1
N1513320:
  vias: v1(24.28,64.45)
N1515390:
  vias: v1(24.23,62.01)
N2316020: length 2.1
  TOP w0.152: D8.2 R46.1

## Copper pours and planes (outline as drawn; the poured copper is in the pictures)
GND on TOP: 0.25,68.23 1,70 2.76,70.74 92.24,70.74 94,70 94.74,68.23 94.74,2.76 94,1 92.24,0.25 2.76,0.25 1,1 0.25,2.76 ; 28 cut-outs
GND on BOTTOM: 0.25,68.23 1,70 2.76,70.74 92.24,70.74 94,70 94.74,68.23 94.74,2.76 94,1 92.24,0.25 2.76,0.25 1,1 0.25,2.76 ; 21 cut-outs

## Text on the board
Ref Des/Silkscreen Top: 3V3 | 5V | GPIO | GROUND | C | B | A | 9 | 8 | 7 | 6 | 5 | TX | RX | LINK | 4 | ALLWINNER(R) F1C100s | ARM9 Development Kit | 3 | ETHERNET | LINK/ACT | USB-UART | BRIDGE | 2 | OWLET INDUSTRIES | 1 | 0 | ACT | SD | USB HUB | DET | MASTER | RESET | CLK | CS | MISO | MOSI | PWR | GND | POWER RAILS | SPI1 PORT | NEKO-M5
PLACE_BOUND_BOTTOM: FIGURE | FINISHED_SIZE | 12.0 | 27.56 | 29.53 | 35.0 | 35.43 | 41.34 | 64.96 | 78.74 | 127.95 | 39.37 | 59.0x24.0 | 71.0x24.0 | 78.74x31.5 | DRILL CHART: TOP to BOTTOM | ALL UNITS ARE IN MILS | ROTATION | - | 0.000 | 90.000 | PLATED | NON-PLATED | QTY | 595 | 10 | 2 | 37 | 20 | 4 | 6
